# Altium PCB iTOP4412_main_Clasics_v3_2.PcbDoc (part 4 of 7)
Units mil, origin at the board's own origin, x right, y up, seen from the top; angles counter-clockwise.
Board outline 4331.71 x 7481.31 mil, 2 copper layers (TOP, BOTTOM), stack 10.4 mil thick; 260 components, 380 nets, 1380 pads, 1110 vias.
Unrouted connection lines stored in the file: 1.
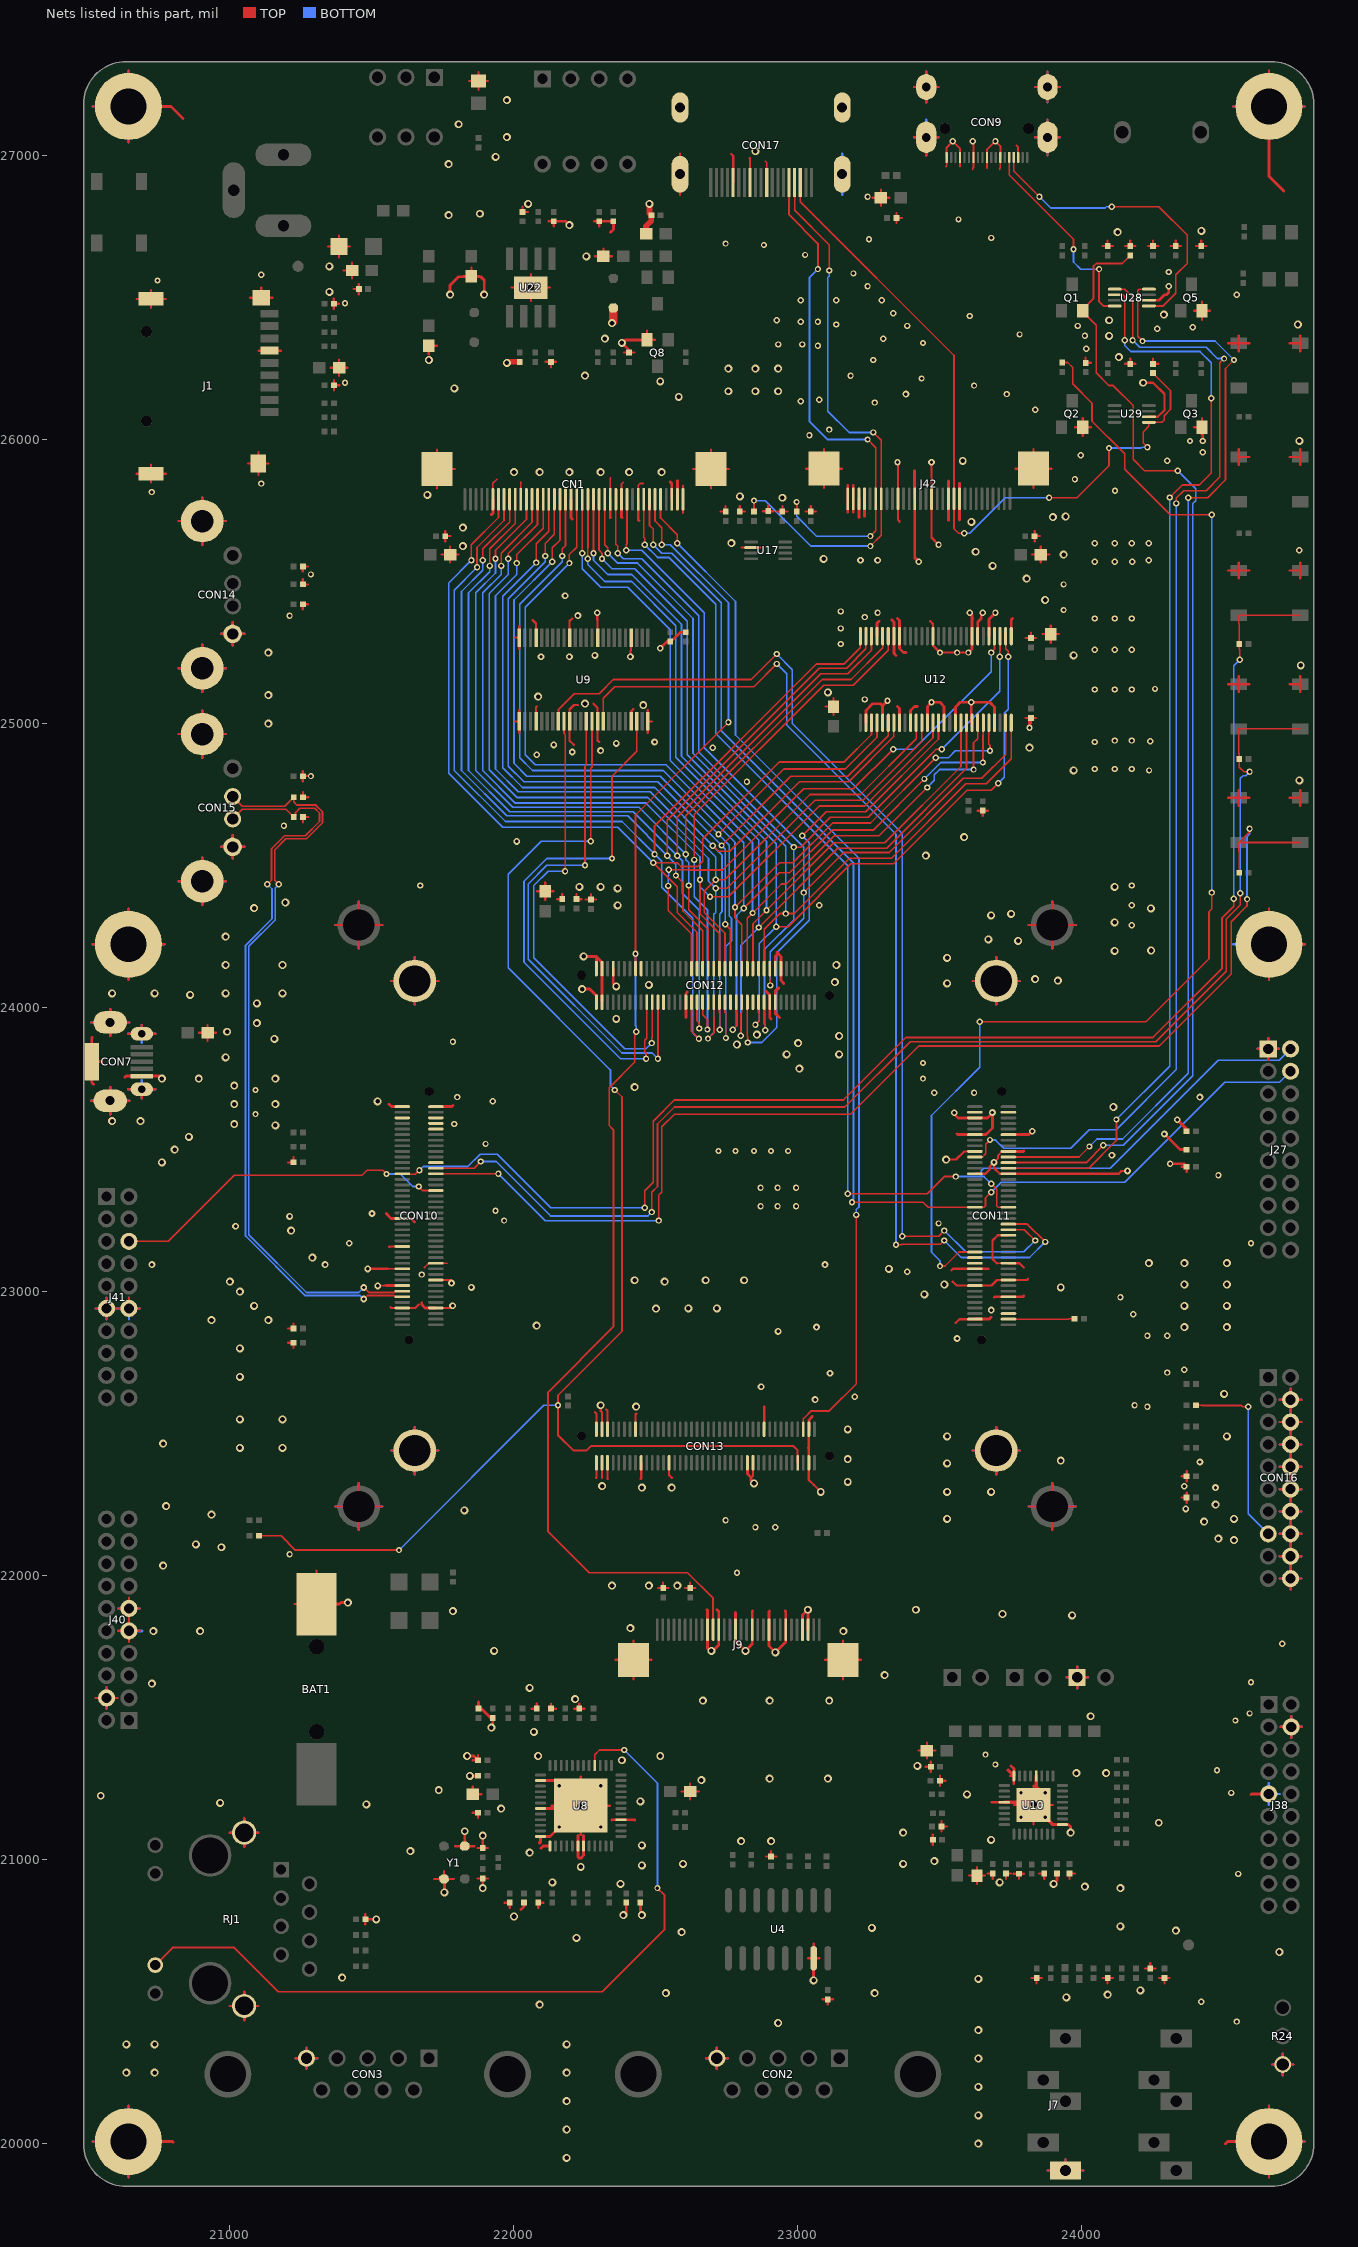
[diagram p4: the nets of this part, all layers, seen from the top]

## Via types
v1: diameter 22, hole 12, TOP to BOTTOM, 637 vias
v2: diameter 28, hole 16, TOP to BOTTOM, 350 vias
v3: diameter 24, hole 12, TOP to BOTTOM, 111 vias
v4: diameter 40, hole 24, TOP to BOTTOM, 12 vias

## Nets (pads, with @x,y where several pads share a name; then routed paths per layer and width w, separated by ;. In a path a pad name is that pad's centre, name@x,y a point inside that pad or via, vN(x,y) a via of type N, cw(c..) or ccw(c..) an arc to the next point about the centre after c; other vN are vias at no path point) (continued)
GND: (continued)
  BOTTOM w8: 20514.14,23672.78 CON7.9@20581.2,23672.78 ; 20514.14,23948.37 CON7.8@20581.2,23948.37 ; 20519.33,20008.05 H13.1@20645.33,20008.05 ; 20519.33,24223.41 H12.1@20645.33,24223.41 ; 20519.33,27173.41 H10.1@20645.33,27173.41 ; 20530.48,21569.98 J40.4@20568.48,21569.98 ; 20530.48,22941.52 J41.11@20568.48,22941.52 ; 20568.48,21531.98 J40.4@20568.48,21569.98 ; 20568.48,21607.98 J40.4@20568.48,21569.98 ; 20568.48,22903.51 J41.11@20568.48,22941.52 ; 20568.48,22979.52 J41.11@20568.48,22941.52 ; 20581.2,23625.4 CON7.9@20581.2,23672.78 ; 20581.2,23720.15 CON7.9@20581.2,23672.78 ; 20581.2,23900.99 CON7.8@20581.2,23948.37 ; 20581.2,23995.74 CON7.8@20581.2,23948.37 ; 20606.49,21569.98 J40.4@20568.48,21569.98 ; 20606.49,22941.52 J41.11@20568.48,22941.52 ; 20609.22,21884.94 J40.11@20647.22,21884.94 20685.23,21884.94 ; 20609.22,22941.52 J41.12@20647.22,22941.52 ; 20645.05,23713.13 CON7.7@20692.42,23713.13 ; 20645.05,23908.01 CON7.6@20692.42,23908.01 ; 20645.33,19882.05 H13.1@20645.33,20008.05 ; 20645.33,20134.05 H13.1@20645.33,20008.05 ; 20645.33,24097.4 H12.1@20645.33,24223.41 ; 20645.33,24349.41 H12.1@20645.33,24223.41 ; 20645.33,27047.4 H10.1@20645.33,27173.41 ; 20645.33,27299.41 H10.1@20645.33,27173.41 ; 20647.22,22903.51 J41.12@20647.22,22941.52 ; 20647.22,22979.52 J41.12@20647.22,22941.52 ; 20648.26,23672.78 CON7.9@20581.2,23672.78 ; 20648.26,23948.37 CON7.8@20581.2,23948.37 ; 20685.23,22941.52 J41.12@20647.22,22941.52 ; 20692.42,23681.51 CON7.7@20692.42,23713.13 ; 20692.42,23744.75 CON7.7@20692.42,23713.13 ; 20692.42,23876.39 CON7.6@20692.42,23908.01 ; 20692.42,23939.64 CON7.6@20692.42,23908.01 ; 20739.79,23713.13 CON7.7@20692.42,23713.13 ; 20739.79,23908.01 CON7.6@20692.42,23908.01 ; 20771.34,20008.05 H13.1@20645.33,20008.05 ; 20771.34,24223.41 H12.1@20645.33,24223.41 ; 20771.34,27173.41 H10.1@20645.33,27173.41 ; 20822.35,24445.47 CON15.6@20905.35,24445.47 ; 20822.35,24963.47 CON15.5@20905.35,24963.47 ; 20822.35,25195.47 CON14.6@20905.35,25195.47 ; 20822.35,25713.47 CON14.5@20905.35,25713.47 ; 20905.35,24362.47 CON15.6@20905.35,24445.47 ; 20905.35,24528.47 CON15.6@20905.35,24445.47 ; 20905.35,24880.47 CON15.5@20905.35,24963.47 ; 20905.35,25046.47 CON15.5@20905.35,24963.47 ; 20905.35,25112.47 CON14.6@20905.35,25195.47 ; 20905.35,25278.47 CON14.6@20905.35,25195.47 ; 20905.35,25630.47 CON14.5@20905.35,25713.47 ; 20905.35,25796.47 CON14.5@20905.35,25713.47 ; 20971.85,24566.47 CON15.4@21012.35,24566.47 ; 20971.85,25316.47 CON14.4@21012.35,25316.47 ; 20988.36,24445.47 CON15.6@20905.35,24445.47 ; 20988.36,24963.47 CON15.5@20905.35,24963.47 ; 20988.36,25195.47 CON14.6@20905.35,25195.47 ; 20988.36,25713.47 CON14.5@20905.35,25713.47 ; 21004.85,20485.57 RJ1.14@21052.85,20485.57 ; 21004.85,21095.57 RJ1.13@21052.85,21095.57 ; 21012.35,24525.97 CON15.4@21012.35,24566.47 ; 21012.35,24606.97 CON15.4@21012.35,24566.47 ; 21012.35,25275.97 CON14.4@21012.35,25316.47 ; 21012.35,25356.97 CON14.4@21012.35,25316.47 ; 21052.85,20437.57 RJ1.14@21052.85,20485.57 ; 21052.85,20533.58 RJ1.14@21052.85,20485.57 ; 21052.85,21047.57 RJ1.13@21052.85,21095.57 ; 21052.85,21143.58 RJ1.13@21052.85,21095.57 ; 21052.86,24566.47 CON15.4@21012.35,24566.47 ; 21052.86,25316.47 CON14.4@21012.35,25316.47 ; 21100.86,20485.57 RJ1.14@21052.85,20485.57 ; 21100.86,21095.57 RJ1.13@21052.85,21095.57 ; 21234.1,20301.48 CON3.5@21272.11,20301.48 ; 21272.11,20263.47 CON3.5@21272.11,20301.48 ; 21272.11,20339.48 CON3.5@21272.11,20301.48 ; 21310.11,20301.48 CON3.5@21272.11,20301.48 ; 21373.65,22244.06 21456.65,22244.06 ; 21373.65,24291.3 21456.65,24291.3 ; 21456.65,22161.05 21456.65,22244.06 ; 21456.65,22327.06 21456.65,22244.06 ; 21456.65,24208.3 21456.65,24291.3 ; 21456.65,24374.3 21456.65,24291.3 ; 21539.65,22244.06 21456.65,22244.06 ; 21539.65,24291.3 21456.65,24291.3 ; 21570.5,22440.91 H6.1@21653.5,22440.91 ; 21570.5,24094.45 H7.1@21653.5,24094.45 ; 21653.5,22357.91 H6.1@21653.5,22440.91 ; 21653.5,22523.91 H6.1@21653.5,22440.91 ; 21653.5,24011.45 H7.1@21653.5,24094.45 ; 21653.5,24177.45 H7.1@21653.5,24094.45 ; 21736.5,22440.91 H6.1@21653.5,22440.91 ; 21736.5,24094.45 H7.1@21653.5,24094.45 ; 22679.1,20301.48 CON2.5@22717.11,20301.48 ; 22717.11,20263.47 CON2.5@22717.11,20301.48 ; 22717.11,20339.48 CON2.5@22717.11,20301.48 ; 22755.11,20301.48 CON2.5@22717.11,20301.48 ; 23158.29,26861.8 CON17.20@23158.29,26934.76 23158.29,27007.73 ; 23410.84,27064.65 CON9.20@23454.27,27064.65 ; 23410.84,27241.81 CON9.22@23454.27,27241.81 ; 23454.27,27001.53 CON9.20@23454.27,27064.65 ; 23454.27,27127.77 CON9.20@23454.27,27064.65 ; 23454.27,27188.53 CON9.22@23454.27,27241.81 ; 23454.27,27295.09 CON9.22@23454.27,27241.81 ; 23497.71,27064.65 CON9.20@23454.27,27064.65 ; 23497.71,27241.81 CON9.22@23454.27,27241.81 ; 23617.76,22440.91 H5.1@23700.76,22440.91 ; 23700.76,22357.91 H5.1@23700.76,22440.91 ; 23700.76,22523.91 H5.1@23700.76,22440.91 ; 23700.86,24011.45 H8.1@23700.86,24094.45 ; 23700.86,24177.45 H8.1@23700.86,24094.45 ; 23783.76,22440.91 H5.1@23700.76,22440.91 ; 23783.86,24094.45 H8.1@23700.86,24094.45 ; 23814.6,22244.06 23897.6,22244.06 ; 23814.6,24291.3 23897.6,24291.3 ; 23838,27064.65 CON9.21@23881.44,27064.65 ; 23838,27241.81 CON9.23@23881.44,27241.81 ; 23881.44,27001.53 CON9.21@23881.44,27064.65 ; 23881.44,27127.77 CON9.21@23881.44,27064.65 ; 23881.44,27188.53 CON9.23@23881.44,27241.81 ; 23881.44,27295.09 CON9.23@23881.44,27241.81 ; 23881.7,19905.96 J7.5@23944.82,19905.96 ; 23897.6,22327.06 23897.6,22244.06 ; 23897.6,24208.3 23897.6,24291.3 ; 23897.6,24374.3 23897.6,24291.3 ; 23924.87,27064.65 CON9.21@23881.44,27064.65 ; 23924.87,27241.81 CON9.23@23881.44,27241.81 ; 23944.82,19945.46 J7.5@23944.82,19905.96 ; 23947.85,21642.57 J5.1@23985.85,21642.57 ; 23980.6,22244.06 23897.6,22244.06 ; 23980.6,24291.3 23897.6,24291.3 ; 23985.85,21604.57 J5.1@23985.85,21642.57 ; 23985.85,21680.57 J5.1@23985.85,21642.57 ; 24007.94,19905.96 J7.5@23944.82,19905.96 ; 24023.86,21642.57 J5.1@23985.85,21642.57 ; 24535.08,20008.05 H14.1@24661.08,20008.05 ; 24535.08,24223.41 H9.1@24661.08,24223.41 ; 24535.08,27173.41 H11.1@24661.08,27173.41 ; 24620.48,23855.22 J27.1@24658.48,23855.22 ; 24622.48,21231.94 J38.9@24660.48,21231.94 ; 24658.48,23893.22 J27.1@24658.48,23855.22 ; 24660.48,21193.94 J38.9@24660.48,21231.94 ; 24660.48,21269.94 J38.9@24660.48,21231.94 ; 24661.08,19882.05 H14.1@24661.08,20008.05 ; 24661.08,20134.05 H14.1@24661.08,20008.05 ; 24661.08,24097.4 H9.1@24661.08,24223.41 ; 24661.08,24349.41 H9.1@24661.08,24223.41 ; 24661.08,27047.4 H11.1@24661.08,27173.41 ; 24661.08,27299.41 H11.1@24661.08,27173.41 ; 24671.9,20279.57 R24.1@24709.43,20279.57 ; 24696.49,23855.22 J27.1@24658.48,23855.22 ; 24698.49,21231.94 J38.9@24660.48,21231.94 ; 24699.22,21990.24 CON16.20@24737.22,21990.24 ; 24699.22,22068.98 CON16.18@24737.22,22068.98 ; 24699.22,22147.72 CON16.16@24737.22,22147.72 ; 24699.22,22226.46 CON16.14@24737.22,22226.46 ; 24699.22,22305.2 CON16.12@24737.22,22305.2 ; 24699.22,22383.94 CON16.10@24737.22,22383.94 ; 24699.22,22462.68 CON16.8@24737.22,22462.68 ; 24699.22,22541.42 CON16.6@24737.22,22541.42 ; 24699.22,22620.16 CON16.4@24737.22,22620.16 ; 24701.22,21468.16 J38.4@24739.22,21468.16 ; 24709.43,20242.04 R24.1@24709.43,20279.57 ; 24709.43,20317.1 R24.1@24709.43,20279.57 ; 24737.22,21952.24 CON16.20@24737.22,21990.24 ; 24737.22,22028.24 CON16.20@24737.22,21990.24 ; 24737.22,22030.98 CON16.18@24737.22,22068.98 ; 24737.22,22106.98 CON16.18@24737.22,22068.98 ; 24737.22,22109.72 CON16.16@24737.22,22147.72 ; 24737.22,22185.72 CON16.16@24737.22,22147.72 ; 24737.22,22188.46 CON16.14@24737.22,22226.46 ; 24737.22,22264.46 CON16.14@24737.22,22226.46 ; 24737.22,22267.2 CON16.12@24737.22,22305.2 ; 24737.22,22343.2 CON16.12@24737.22,22305.2 ; 24737.22,22345.94 CON16.10@24737.22,22383.94 ; 24737.22,22421.94 CON16.10@24737.22,22383.94 ; 24737.22,22424.68 CON16.8@24737.22,22462.68 ; 24737.22,22500.68 CON16.8@24737.22,22462.68 ; 24737.22,22503.42 CON16.6@24737.22,22541.42 ; 24737.22,22579.42 CON16.6@24737.22,22541.42 ; 24737.22,22582.16 CON16.4@24737.22,22620.16 ; 24737.22,22658.16 CON16.4@24737.22,22620.16 ; 24739.22,21430.16 J38.4@24739.22,21468.16 ; 24739.22,21506.16 J38.4@24739.22,21468.16 ; 24746.96,20279.57 R24.1@24709.43,20279.57 ; 24775.23,21990.24 CON16.20@24737.22,21990.24 ; 24775.23,22068.98 CON16.18@24737.22,22068.98 ; 24775.23,22147.72 CON16.16@24737.22,22147.72 ; 24775.23,22226.46 CON16.14@24737.22,22226.46 ; 24775.23,22305.2 CON16.12@24737.22,22305.2 ; 24775.23,22383.94 CON16.10@24737.22,22383.94 ; 24775.23,22462.68 CON16.8@24737.22,22462.68 ; 24775.23,22541.42 CON16.6@24737.22,22541.42 ; 24775.23,22620.16 CON16.4@24737.22,22620.16 ; 24777.23,21468.16 J38.4@24739.22,21468.16 ; 24787.08,20008.05 H14.1@24661.08,20008.05 ; 24787.08,24223.41 H9.1@24661.08,24223.41 ; 24787.08,27173.41 H11.1@24661.08,27173.41
  BOTTOM w10: J40.9@20647.22,21806.2 20692.22,21806.2 20692.85,21805.57
  other v1: 24547.85,20430.57 24422.85,20500.57 24552.85,20950.57 22307.85,21115.57 23787.85,21150.57 23872.85,21150.57 23787.85,21235.57 23872.85,21235.57 24527.85,21235.57 22162.85,21260.57 22307.85,21260.57 24477.85,21315.57 23697.85,21335.57 23662.85,21370.57 24542.85,21490.57 24592.85,21515.57 24597.85,21625.57 24707.85,21760.57 22787.85,22010.57 21212.85,22075.57 22852.85,22170.57 22922.85,22170.57 22747.85,22195.57 24232.85,22595.57 24187.85,22600.57 24302.85,22715.57 24362.85,22725.57 24232.85,22845.57 24302.85,22845.57 24182.85,22920.57 24137.85,22980.57 21677.85,23060.57 23387.85,23070.57 24597.85,23170.57 23497.85,23240.57 21967.85,23250.57 21937.85,23285.57 22870.97,23301.11 22930.97,23301.11 22995.97,23301.11 22870.97,23366.11 22930.97,23366.11 22995.97,23366.11 24482.85,23410.57 22722.85,23495.57 22782.85,23495.57 22847.85,23495.57 22907.85,23495.57 22967.85,23495.57 21902.85,23520.57 21792.85,23590.57 21092.85,23625.57 21927.85,23670.57 21802.85,23685.57 23482.85,23700.57 23622.85,23700.57 21092.85,23710.57 23442.85,23750.57 23442.85,23805.57 21787.85,23880.57 24177.85,24290.57 23077.85,24360.57 24177.85,24360.57 21672.85,24430.57 24177.85,24430.57 21192.85,24640.57 22822.85,24795.57 21287.85,24815.57 24238.85,24835.57 24047.85,24840.57 24117.85,24840.57 24177.85,24840.57 22702.85,24915.57 24047.85,24935.57 24242.85,24938.57 24117.85,24940.57 24177.85,24940.57 23237.85,25085.57 24047.85,25120.57 24117.85,25120.57 24177.85,25120.57 24259.85,25122.57 24047.85,25260.57 24117.85,25260.57 24177.85,25260.57 23152.85,25280.57 23152.85,25335.57 24047.85,25370.57 24117.85,25370.57 24177.85,25370.57 23237.85,25375.57 21212.85,25380.57 23282.85,25390.57 23152.85,25395.57 23937.85,25400.57 23937.85,25490.57 21287.85,25525.57 24047.85,25570.57 24117.85,25570.57 24179.85,25570.57 24237.85,25575.57 24767.85,25610.57 24047.85,25635.57 24117.85,25635.57 24177.85,25635.57 24237.85,25635.57 20727.85,25815.57 24118.85,25820.57 21112.85,25845.57 23977.85,25860.57 24302.85,25925.57 23997.85,25945.57 24427.85,25955.57 24382.85,25995.57 23042.85,26015.57 23112.85,26035.57 23837.85,26105.57 23272.85,26130.57 23012.85,26135.57 23077.85,26140.57 23737.85,26160.57 23622.85,26190.57 21407.85,26200.57 23437.85,26215.57 23187.85,26225.57 23267.85,26280.57 24017.85,26320.57 23072.85,26330.57 22932.85,26335.57 23017.85,26335.57 23442.85,26340.57 23302.85,26355.57 24012.85,26365.57 23782.85,26370.57 24267.85,26390.57 24392.85,26395.57 23387.85,26400.57 23987.85,26400.57 23137.85,26405.57 23012.85,26415.57 23072.85,26415.57 22927.85,26420.57 23607.85,26435.57 23337.85,26445.57 21407.85,26480.57 23012.85,26490.57 23137.85,26490.57 23297.85,26490.57 24547.85,26510.57 23247.85,26540.57 20747.85,26560.57 21112.85,26580.57 23197.85,26585.57 24307.85,26590.57 23027.85,26650.57 22882.85,26685.57 22747.85,26690.57 23252.85,26705.57 23682.85,26710.57 23567.85,26775.57 23247.85,26855.57
  other v2: 22187.85,19950.57 23637.85,20000.57 22187.85,20050.57 23637.85,20100.57 22187.85,20150.57 23637.85,20200.57 20637.85,20250.57 20737.85,20250.57 22187.85,20250.57 23637.85,20300.57 20637.85,20350.57 20737.85,20350.57 22187.85,20350.57 23637.85,20400.57 22932.85,20425.57 22092.85,20490.57 23947.85,20515.57 24092.85,20525.57 22537.85,20530.57 23272.85,20530.57 24207.85,20540.57 23637.85,20580.57 21397.85,20585.57 24697.85,20675.57 22222.85,20725.57 22592.85,20745.57 24332.85,20750.57 23262.85,20760.57 24137.85,20765.57 22002.85,20800.57 24137.85,20900.57 24012.85,20905.57 22377.85,20915.57 22137.85,20920.57 23712.85,20920.57 22237.85,20975.57 22452.85,20980.57 22597.85,20985.57 23372.85,20985.57 23482.85,20995.57 22057.85,21025.57 21637.85,21030.57 22452.85,21050.57 22802.85,21065.57 22907.85,21065.57 23682.85,21070.57 23372.85,21095.57 24272.85,21130.57 21957.85,21180.57 21482.85,21195.57 20967.85,21200.57 22447.85,21205.57 20547.85,21225.57 23597.85,21230.57 21737.85,21245.57 22662.85,21280.57 22902.85,21285.57 23107.85,21285.57 23982.85,21305.57 24087.85,21305.57 23422.85,21330.57 22382.85,21350.57 22087.85,21365.57 22517.85,21365.57 22072.85,21450.57 24032.85,21505.57 22667.85,21560.57 22902.85,21560.57 23112.85,21560.57 22217.85,21565.57 22057.85,21605.57 20727.85,21620.57 23307.85,21650.57 21932.85,21735.57 20732.85,21805.57 20897.85,21805.57 23162.85,21805.57 22412.85,21815.57 23967.85,21860.57 23722.85,21865.57 21787.85,21875.57 23417.85,21880.57 22347.85,21965.57 22477.85,21965.57 22577.85,21965.57 20767.85,22035.57 20972.85,22100.57 20882.85,22110.57 24537.85,22125.57 24482.85,22130.57 24432.85,22190.57 23527.85,22200.57 24537.85,22200.57 20937.85,22215.57 21827.85,22230.57 20777.85,22245.57 24472.85,22250.57 23527.85,22295.57 23682.85,22295.57 22452.85,22310.57 22557.85,22310.57 22312.85,22315.57 23177.85,22330.57 23527.85,22395.57 23927.85,22405.57 23177.85,22410.57 21037.85,22450.57 21187.85,22450.57 20767.85,22465.57 23527.85,22490.57 24512.85,22490.57 23177.85,22515.57 21037.85,22550.57 21187.85,22550.57 22432.85,22595.57 24502.85,22640.57 21037.85,22700.57 21037.85,22800.57 24362.85,22875.57 24512.85,22875.57 22082.85,22880.57 20937.85,22900.57 21137.85,22900.57 22502.85,22940.57 22617.12,22941.61 22717.12,22941.61 21087.85,22950.57 24362.85,22950.57 24512.85,22950.57 23447.85,22990.57 21037.85,23000.57 23927.85,23015.57 23517.85,23025.65 24362.85,23025.57 24512.85,23025.57 21002.85,23035.57 22532.85,23035.57 22427.85,23040.57 22677.85,23040.57 22812.85,23040.57 23322.85,23080.57 24237.85,23100.57 24362.85,23100.57 24512.85,23100.57 21292.85,23120.57 21217.85,23215.57 20762.85,23455.57 20807.85,23500.57 20857.85,23545.57 21162.85,23585.57 21017.85,23590.57 20587.85,23600.57 20687.85,23600.57 24112.85,23650.57 21017.85,23660.57 21162.85,23660.57 21522.85,23670.57 22427.85,23720.57 21017.85,23725.57 20892.85,23750.57 21162.85,23750.57 23007.85,23785.57 20987.85,23825.57 22962.85,23835.57 23147.85,23835.57 22787.85,23870.57 23002.85,23875.57 21158.85,23890.57 23147.85,23900.57 22857.85,23905.57 20992.85,23915.57 21097.85,23945.57 22362.85,23960.57 21097.85,24015.57 20862.85,24045.57 20587.85,24050.57 20737.85,24050.57 20987.85,24050.57 21187.85,24050.57 22477.85,24080.57 23527.85,24085.57 23132.85,24090.57 23917.85,24095.57 23837.85,24100.57 20987.85,24150.57 21187.85,24150.57 23137.85,24150.57 23527.85,24175.57 24117.85,24200.57 24245.85,24201.57 23777.85,24235.57 23672.85,24240.57 20987.85,24250.57 24117.85,24300.57 23682.85,24325.57 23752.85,24330.57 24244.85,24349.57 21087.85,24350.57 22367.85,24360.57 21197.85,24370.57 22367.85,24420.57 22232.85,24425.57 22307.85,24425.57 24117.85,24425.57 23452.85,24535.57 23587.85,24600.57 24767.85,24800.57 23972.85,24835.57 23817.85,24915.57 21137.85,25000.57 22457.85,25065.57 22252.85,25070.57 22087.85,25095.57 21137.85,25100.57 23107.85,25110.57 24772.85,25205.57 23972.85,25240.57 21137.85,25250.57 23872.85,25435.57 23807.85,25510.57 23687.85,25555.57 23092.85,25580.57 23937.85,25595.57 23627.85,25605.57 21822.85,25625.57 22767.85,25635.57 21822.85,25690.57 23612.85,25710.57 23899.85,25727.57 23944.85,25729.57 22947.85,25795.57 22797.85,25800.57 21697.85,25805.57 22002.85,25885.57 22092.85,25885.57 22197.85,25885.57 22307.85,25885.57 22407.85,25885.57 22522.85,25885.57 23582.85,25925.57 24767.85,25995.57 22582.85,26150.57 22757.85,26170.57 22852.85,26170.57 22932.85,26170.57 21792.85,26180.57 22517.85,26205.57 22252.85,26225.57 22757.85,26250.57 22852.85,26250.57 22932.85,26250.57 21702.85,26280.57 24132.85,26290.57 22322.85,26355.57 24097.85,26365.57 24762.85,26405.57 24097.85,26420.57 24290.7,26440.57 21352.85,26520.57 21352.85,26610.57 22257.85,26645.57 24127.85,26730.57 24422.85,26735.57 21772.85,26790.57 21882.85,26795.57 22052.85,26830.57 21772.85,26970.57 21937.85,26995.57 22852.85,27015.57 21977.85,27065.57 21807.85,27110.57 21977.85,27195.57
  other v3: 24367.85,22235.57 24472.85,22310.57 24362.85,22315.57 24417.85,22400.57 23062.85,22620.57 23202.85,22630.57 22872.85,22665.57 23115.5,22713.22 23562.85,22835.57 22932.85,22860.57 23067.85,22875.57 23682.85,22935.57 21852.85,23015.57 20727.85,23095.57 21337.85,23095.57 23097.85,23095.57 21422.85,23170.57 21022.85,23230.57 21212.85,23265.57 21502.85,23275.57 24107.85,23480.57 24417.85,23685.57 22012.85,24585.57 22082.85,24890.57 22207.85,24900.57 22307.85,24905.57 22142.85,24925.57 22362.85,24930.57 22497.85,24935.57 22097.85,25235.57 22197.85,25235.57 22287.85,25240.57 22227.85,25380.57 22182.85,25450.57 23222.85,25575.57 23282.85,25575.57 23382.85,26160.57
  other v4: 23832.85,21195.57
GPC1_1: CON13.7 R27.1 U9.38 | length 5204.2
  TOP w6: R27.1@21104.35,22140.57 21182.85,22140.57 21232.85,22090.57 v1(21597.85,22090.57) ; v1(22157.85,22600.57) 22157.85,22635.57 22382.85,22860.57 22382.85,23685.57 v1(22357.85,23710.57) ; v1(22272.85,24586.07) 22272.85,24843.25 22277.38,24847.78 U9.38@22277.38,25007.93
  TOP w7: v1(22157.85,22600.57) 22157.85,22495.57 22212.85,22440.57 22257.85,22440.57 22273.85,22456.57 22986.85,22456.57 23001.63,22441.8 CON13.7@23001.63,22397.81
  BOTTOM w6: v1(21597.85,22090.57) 22107.85,22600.57 v1(22157.85,22600.57) ; v1(22272.85,24586.07) 22098.35,24586.07 21982.85,24470.57 21982.85,24140.57 22342.85,23780.57 22342.85,23725.57 v1(22357.85,23710.57)
GPS33_EN: CON12.55
GPS_32K: CON10.60
GPS_RST: CON12.61 U9.46 | length 1921.7
  TOP w6: v1(22347.85,24525.57) 22347.85,24815.57 22434.87,24902.58 U9.46@22434.87,25007.93 ; v1(22467.85,23820.57) 22467.85,23839.57 22462.85,23844.57 22462.85,23885.57 22470.14,23892.86 CON12.61@22470.14,24019.86
  BOTTOM w6: v1(22347.85,24525.57) 22117.85,24525.57 22037.85,24445.57 22037.85,24160.57 22377.85,23820.57 v1(22467.85,23820.57)
GPS_RXD: CON12.57 U9.37 | length 1801.7
  TOP w6: v1(22252.85,24501.47) 22252.85,24850.57 22257.69,24855.41 U9.37@22257.69,25007.93 ; v1(22509.51,23820.57) CON12.57@22509.51,24019.86
  BOTTOM w6: v1(22252.85,24501.47) 22118.75,24501.47 22052.85,24435.57 22052.85,24170.57 22382.85,23840.57 22489.51,23840.57 v1(22509.51,23820.57)
GPS_SYNC: CON12.64
GPS_TXD: CON12.59 U9.33 | length 1615.6
  TOP w6: U9.33@22178.95,25007.93 22178.95,24966.43 22182.85,24962.53 v1(22182.85,24480.57) ; v1(22487.85,23875.57) 22487.85,23894.57 22489.82,23896.53 CON12.59@22489.82,24019.86
  BOTTOM w6: v1(22182.85,24480.57) 22122.85,24480.57 22072.85,24430.57 22072.85,24175.57 22392.85,23855.57 22467.85,23855.57 v1(22487.85,23875.57)